# Altium PCB eHorglass.PcbDoc (continued)
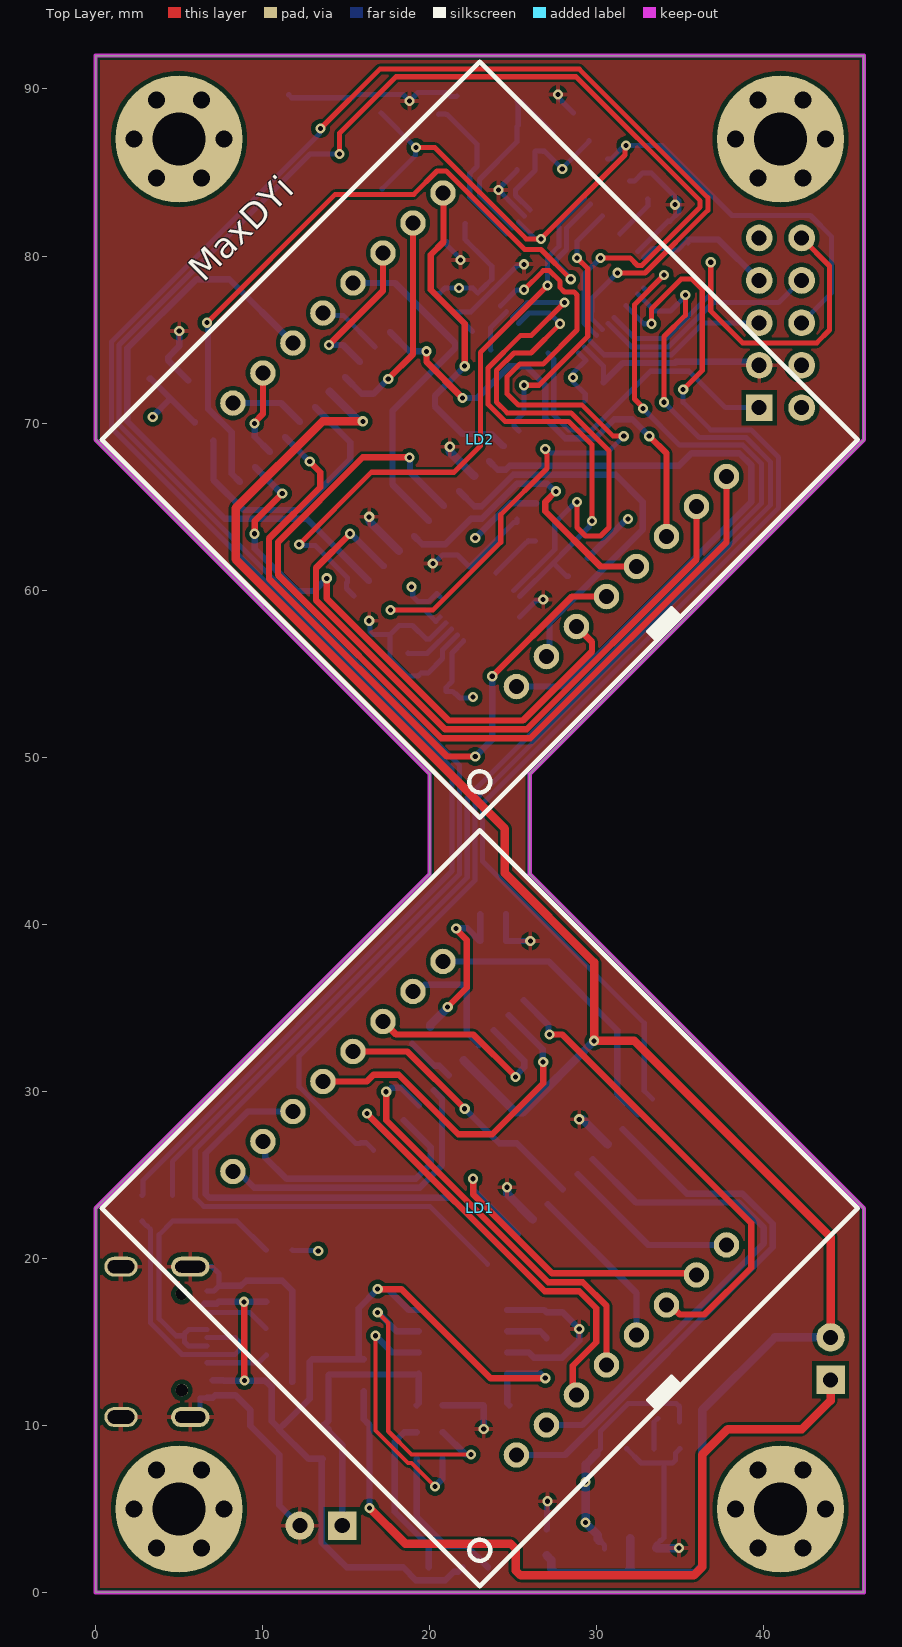
[diagram p0: Top Layer view]
## Part data
C1 C2 C3 C4 C5 C6 C7 C8 C9 C10 C11 C12 C13 C14 C15 C16 C17 C18 C19 C20 C21: library part C, "贴片电容/MLCC电容", BOM名称=无极性贴片电容, 联系下单店铺卖家 免费帮你查找封装="联系下单店铺卖家 免费技术支持"
D1 D2: "肖特基二极管", BOM名称=肖特基二极管, 当前库版本V2022.12.25 @淘宝卖家:黄晶宝石=最新版本发布https://shop463601444.taobao.com
IC1: "锂电池充电管理", BOM名称=锂电池充电管理, 当前库版本V2022.10.7 @淘宝卖家:黄晶宝石=最新版本发布https://shop463601444.taobao.com
JP1: "5*2P接插件", BOM名称=5*2P接插件, 封装库来自淘宝卖家ID：黄晶宝石=其他店铺购入均为盗版封装库，请立即申请退款，本店现金奖励50~200元, 联系卖家，免费查找封装=唯一出售店铺网址https://shop463601444.taobao.com
JP2: library part "Header 2", "2P接插件", BOM名称=2P接插件, 封装库来自淘宝卖家ID：黄晶宝石=其他店铺购入均为盗版封装库，请立即申请退款，本店现金奖励50~200元, 联系卖家，免费查找封装=唯一出售店铺网址https://shop463601444.taobao.com
LD1 LD2: "共阴单色LED8*8点阵屏", BOM名称=共阴单色LED8*8点阵屏, 联系卖家 免费技术支持=唯一出售店铺网址https://shop463601444.taobao.com
LED1 LED2 LED3: library part LED, "贴片LED", BOM名称=贴片LED, 封装库来自淘宝卖家：黄晶宝石=其他店铺购入均为盗版封装库，无更新权益，退款现金奖励200~1000元
Q1: "P沟道 30V/4.2A", BOM名称=场效应管, 参数="P沟道 30V/4.2A", 联系下单店铺卖家 免费帮你查找封装="联系下单店铺卖家 免费技术支持"
R1 R2 R3 R4 R5 R6 R7 R8 R9 R10 R11 R12 R13 R14 R15 R16 R17: library part R, "贴片电阻", BOM名称=贴片电阻
  R1 R2 R3 R4 R7 R8 R9 R10 R11 R14: 当前库版本V2022.10.7 @黄晶宝石=最新版本发布https://shop463601444.taobao.com
  R5 R6 R12 R13 R15 R16 R17: 联系下单店铺卖家 免费帮你查找封装="联系下单店铺卖家 免费技术支持"
S1: "1路单刀船型开关", BOM名称=1路单刀船型开关, 联系下单店铺卖家 免费技术支持="联系下单店铺卖家 免费帮你查找封装"
SP1 SP2 SP3 SP4: library part 铜柱加头大焊盘, "铜柱", BOM名称=铜柱, 联系下单店铺卖家 免费技术支持="联系下单店铺卖家 免费帮你查找封装"
SW1: library part "SW 3x6", "3x6轻触开关", BOM名称=3x6轻触开关, 联系下单店铺卖家 免费技术支持="联系下单店铺卖家 免费帮你查找封装"
U1: "STM32 ARM-based 32-bit MCU Performance Line with 64 kB Flash, 20 kB Internal RAM, -40 to +85癈 Temperature, 48-Pin LQFP, Tray", ComponentLink1Description="Manufacturer URL", ComponentLink1URL=http://www.st.com/, ComponentLink2Description="STM32F103 Datasheet", ComponentLink2URL=http://www.st.com/internet/com/TECHNICAL_RESOURCES/TECHNICAL_LITERATURE/DATASHEET/CD00161566.pdf, ComponentLink3Description="STM32 Family Web Page", ComponentLink3URL=www.st.com/stm32, DatasheetVersion="rev13.0, Apr-2011", PackageDescription="48-Pin Low-Profile Quad Flat Pack, 7 x 7 mm Body, 0.5 mm Pitch (LQFP48)", PackageReference=LQFP48, PackageVersion="rev13, Apr-2011", 封装库来自淘宝卖家：黄晶宝石=最新版本发布https://shop463601444.taobao.com
U2 U3: "8位 LED驱动器", 封装库来自淘宝卖家：黄晶宝石=其他店铺购入均为盗版封装库，无更新权益，退款现金奖励200~1000元, 当前库版本V2022.12.25 @淘宝卖家:黄晶宝石=最新版本发布https://shop463601444.taobao.com
U4: "三轴加速度+三轴陀螺仪", 封装库来自淘宝卖家：黄晶宝石=其他店铺购入均为盗版封装库，请立即申请退款，本店现金奖励100~500元
U5: "LDO线性稳压芯片", BOM名称=HT7533, 当前库版本V2022.12.25 @淘宝卖家:黄晶宝石=最新版本发布https://shop463601444.taobao.com
USBC1: library part USB2.0_Type-C_16Pin, "USB2.0_Type-C_16Pin母座", 当前库版本V2022.12.25 @淘宝卖家:黄晶宝石=最新版本发布https://shop463601444.taobao.com
X1: library part XTAL-2P, "2脚无源晶振(谐振器）", BOM名称=2脚无源晶振(谐振器）, 联系下单店铺卖家 免费帮你查找封装="联系下单店铺卖家 免费技术支持"

## Via types
v1: diameter 0.61, hole 0.305, Top Layer to Bottom Layer, tented both sides, 94 vias

## Nets (pads, with @x,y where several pads share a name; then routed paths per layer and width w, separated by ;. In a path a pad name is that pad's centre, name@x,y a point inside that pad or via, vN(x,y) a via of type N, cw(c..) or ccw(c..) an arc to the next point about the centre after c; other vN are vias at no path point)
3V3: C4.2 C5.2 C6.2 C7.2 C8.2 C9.2 C10.2 C11.2 C12.2 C15.2 C16.2 JP1.7 LED3.1 R5.2 R6.2 R12.1 R13.1 R14.2 R15.1 U1.1 U1.9 U1.24 U1.36 U1.48 U4.8 U4.13 U5.3 | length 76.5
  Top Layer w0.381: v1(21.082,35.052) 22.225,36.195 22.225,39.054 21.59,39.689 v1(21.59,39.751)
  Bottom Layer w0.305: R15.1 11.802,20.473 13.309,20.473 v1(13.335,20.447) ; v1(18.923,60.198) 18.991,60.13 18.991,59.622 19.304,59.309 19.939,59.309 20.415,59.785 20.447,59.785 U4.13 ; C8.2 20.608,77.764 20.925,78.081 22.582,78.081 22.885,77.778 22.889,77.778 U1.48 23.719,78.608 23.719,79.392 U1.1 22.225,80.886 22.225,80.899 22.12,81.004 22.12,81.937 C7.2 ; U4.8 22.028,56.935 21.336,56.243 21.336,54.523 20.995,54.182 C16.2 21.38,53.935 21.506,53.809 21.542,53.809 21.816,53.536 22.548,53.536 v1(22.606,53.594) ; U1.9 26.02,82.751 25.146,83.625 25.146,83.947 26.311,85.112 26.311,86.255 C4.2 26.347,86.291 26.732,86.291 26.75,86.273 26.884,86.273 v1(27.94,85.217) 27.94,85.257 29.551,86.868 R14.2 ; U1.36 29.354,73.757 29.354,73.754 28.575,72.975 28.575,72.477 29.315,71.737 29.315,71.352 C6.2 ; R12.1 R12.1@29.481,61.929 ; C15.2@29.972,8.347 C15.2 30.225,9.651 31.877,11.303 34.784,11.303 34.962,11.124 LED3.1 ; U5.3@30.151,3.099 30.196,3.099 30.476,2.82 U5.3 ; v1@31.813,64.262 v1(31.877,64.262) ; U1.24 33.335,80.446 34.052,80.446 34.136,80.362 34.849,80.362 C5.2@35.368,80.882 ; C5.2@35.473,80.777 C5.2
  Bottom Layer w0.381: C12.2 3.3,72.652 5.904,70.048 R6.2 ; v1(3.429,70.358) 3.429,70.394 4.452,71.417 C11.2 ; v1(21.59,39.751) 22.249,39.751 23,39 C9.2 C10.2 ; v1(22.733,63.119) 24.823,65.209 26.358,65.209 R13.1 ; R12.1@29.481,61.929 v1@31.813,64.262 ; C5.2 37.284,80.986 JP1.7
  Bottom Layer w0.508: R5.2@20.048,33.85 20.048,33.983 21.082,35.017 v1(21.082,35.052) ; C15.2@29.972,8.347 29.972,8.282 29.356,7.667 29.356,6.623 v1(29.337,6.604) 29.337,4.164 30.075,3.426 30.075,3.175 U5.3@30.151,3.099
  other v1: 29.337,4.191 28.575,72.726 21.753,78.081
BAT_CHRG: IC1.7 R1.1 | length 18.1
  Top Layer w0.254: v1(16.891,16.764) 17.526,16.129 17.526,9.652 18.923,8.255 v1(22.479,8.255)
  Bottom Layer w0.381: v1(16.891,16.764) 18.02,15.635 IC1.7 ; R1.1 20.8,9.6 22.145,8.255 v1(22.479,8.255)
BAT_STDBY: IC1.6 R3.1 | length 15.5
  Top Layer w0.254: v1(16.764,15.367) 16.764,9.696 18.713,7.747 18.923,7.747 v1(20.32,6.35)
  Bottom Layer w0.381: v1(16.764,15.367) 17.766,14.365 IC1.6 ; v1(20.32,6.35) 20.775,6.805 R3.1
BOOT0: R9.2 U1.44 | length 2.7
  Bottom Layer w0.305: R9.2 23.644,74.4 23.644,75.705 U1.44
CC1: R7.2 USBC1.A5 | length 3.7
  Bottom Layer w0.305: USBC1.A5@6.675,13.75 9.75,13.75 10.2,14.2 R7.2
CC2: R8.2 USBC1.B5 | length 3.9
  Bottom Layer w0.305: USBC1.B5@6.675,16.75 9.25,16.75 R8.2@10.2,15.8
GND: C1.1 C2.1 C3.1 C4.1 C5.1 C6.1 C7.1 C8.1 C9.1 C10.1 C11.1 C12.1 C13.1 C14.1 C15.1 C16.1 C17.1 C18.2 C19.2 C20.1 C21.2 IC1.1 IC1.3 JP1.3 JP2.2 R2.1 R4.1 R7.1 R8.1 R9.1 R10.1 R11.1 SW1.2 U1.8 U1.23 U1.35 U1.47 U2.4 U2.9 U3.4 U3.9 U4.1 U4.9 U4.11 U4.18 U5.1 USBC1.0 USBC1.A1 USBC1.A12 USBC1.B1 USBC1.B12 | length 136.8
  Bottom Layer w0.305: USBC1.0@5.875,10.5 6.251,10.876 6.251,11.648 6.253,11.65 USBC1.A1@6.673,11.65 ; USBC1.B1@6.675,18.05 7.095,18.05 7.394,18.349 ; USBC1.0@6.675,19.5 6.979,19.5 7.393,19.086 7.393,18.35 7.394,18.349 ; 7.475,18.35 7.396,18.35 7.394,18.352 7.394,18.349 ; SW1.2 11.744,89.475 15.394,89.475 15.599,89.68 15.984,89.68 C3.1 16.388,89.662 16.405,89.644 16.423,89.662 18.415,89.662 v1(18.796,89.281) 19.304,89.789 20.995,89.789 21.227,89.557 21.612,89.557 C20.1 ; v1(16.383,58.166) 16.422,58.127 16.422,57.513 16.6,57.335 17.595,57.335 17.631,57.299 17.631,55.902 18.669,54.864 19.311,54.864 19.496,55.049 19.881,55.049 C16.1 20.768,55.9 20.768,56.415 U4.9 ; C17.1 18.182,57.886 18.98,57.886 19.792,57.074 20.013,57.074 U4.11 ; v1@20.255,61.595 20.763,62.103 21.665,62.103 U4.18 25.043,64.048 C13.1 C13.1@25.233,64.257 ; C7.1 21.042,80.641 21.844,79.838 v1(21.844,79.756) ; C8.1 C8.1@21.394,76.65 ; R9.1 C8.1@21.394,76.65 ; C4.1 25.233,85.113 24.13,84.01 v1(24.13,83.947) 24.685,83.392 24.685,83.376 U1.8 ; U4.1 26.385,59.38 26.741,59.38 v1(26.797,59.436) ; v1(25.654,79.502) 25.596,79.444 25.262,79.444 22.468,76.65 C8.1@21.394,76.65 ; v1(27.686,89.662) 27.744,89.604 27.744,89.43 C21.2 ; U1.35 30.411,73.407 30.411,72.448 C6.1 ; 31.559,73.596 31.623,73.596 ; C15.1 31.8,8.6 32.653,7.747 34.036,7.747 ; R10.1 32.276,84.495 32.744,84.963 33.274,84.963 34.925,83.312 v1@34.925,83.071 ; U1.23 32.458,80.273 34.267,82.082 C5.1 34.925,82.63 v1@34.925,83.071 ; U5.1 33.524,2.82 33.804,3.099 33.857,3.099 34.036,3.278 34.036,7.747 ; v1(34.684,83.071) v1@34.925,83.071 ; R11.1 34.73,8.355 34.73,7.933 34.544,7.747 34.036,7.747
  Bottom Layer w0.381: v1(5.013,75.506) 5.013,74.615 4.348,73.949 C12.1 C11.1 ; USBC1.A1@6.673,11.65 7.017,11.65 7.178,11.811 8.382,11.811 9.271,10.922 9.271,9.979 11,8.25 R4.1 11,5.23 JP2.2 ; 7.475,18.35 8.698,18.35 9.017,18.669 11.176,18.669 11.775,18.07 C19.2 ; C2.1 C1.1 23.241,11.184 v1(23.241,9.779) ; C10.1 C9.1 26.024,39 v1@26.035,38.989 ; IC1.3 25.942,14.365 26.268,14.039 27.919,14.039 28.956,15.076 v1(28.956,15.774) 27.955,16.775 R2.1@27.023,16.775 ; IC1.1 26.87,16.905 R2.1 ; C14.1 27.025,3.801 27.025,5.435 v1(27.051,5.461) ; C6.1@30.411,72.448 31.559,73.596 ; 31.623,73.596 34.685,73.596 34.748,73.66 39.53,73.66 JP1.3 ; U5.1 U5.1@33.574,2.667
  Bottom Layer w0.508: v1(16.383,64.389) 16.402,64.37 16.402,64.107 U3.9 ; v1(21.209,68.58) 21.209,68.281 U3.4 ; v1(24.638,24.257) 24.638,23.872 U2.9 ; v1(28.956,28.321) 29.169,28.321 U2.4 ; U5.1@33.574,2.667 33.594,2.648 34.906,2.648 v1(34.925,2.667)
  other v1: 26.03,38.995 20.193,61.595
LED1_CS: U1.25 U2.12 | length 96.3
  Top Layer w0.305: v1(32.766,70.866) 32.766,70.928 32.258,71.436 32.258,77.089 v1(34.036,78.867)
  Bottom Layer w0.305: U2.12 20.008,23.114 6.477,23.114 5.969,23.622 5.969,26.52 22.25,42.801 22.25,47.585 39.878,65.213 39.878,67.552 38.749,68.682 34.95,68.682 v1(32.766,70.866) ; U1.25 33.027,77.862 33.031,77.862 v1(34.036,78.867)
LED1_DIG0: LD1.9 U2.2 | length 17.7
  Bottom Layer w0.381: LD1.9 27.126,37.771 31.242,33.655 31.242,29.84 U2.2
LED1_DIG1: LD1.14 U2.11 | length 27.8
  Bottom Layer w0.381: LD1.14 9.106,28.791 6.604,26.289 6.604,23.845 6.827,23.622 21.296,23.622 U2.11
LED1_DIG2: LD1.8 U2.6 | length 10.7
  Bottom Layer w0.381: U2.6 33.097,20.801 LD1.8
LED1_DIG3: LD1.12 U2.7 | length 16
  Top Layer w0.381: LD1.12 18.671,32.383 v1(22.098,28.956)
  Bottom Layer w0.381: v1(22.098,28.956) 24.174,26.88 25.222,26.88 U2.7
LED1_DIG4: LD1.1 U2.3 | length 33.2
  Bottom Layer w0.381: LD1.1 28.102,8.229 40.538,20.665 40.538,22.065 38.727,23.876 35.41,23.876 U2.3
LED1_DIG5: LD1.7 U2.10 | length 20.7
  Top Layer w0.381: v1(22.606,24.765) 22.606,23.82 27.326,19.101 35.879,19.101 LD1.7
  Bottom Layer w0.381: v1(22.606,24.765) 22.606,24.108 U2.10
LED1_DIG6: LD1.2 U2.5 | length 30.4
  Bottom Layer w0.381: LD1.2 29.144,10.025 40.005,20.886 40.005,21.844 38.506,23.343 32.351,23.343 U2.5
LED1_DIG7: LD1.5 U2.8 | length 10
  Bottom Layer w0.381: U2.8 32.383,17.923 LD1.5
LED1_MOSI: U1.28 U2.1 | length 71.2
  Top Layer w0.305: v1(33.274,75.946) 33.274,76.835 35.052,78.613 35.687,78.613 36.322,77.978 36.322,73.152 v1(35.179,72.009)
  Bottom Layer w0.305: U1.28 32.822,75.946 v1(33.274,75.946) ; U2.1 32.849,30.03 32.849,34.08 23.165,43.764 23.165,47.206 40.894,64.935 40.894,67.945 39.243,69.596 36.83,69.596 35.179,71.247 v1(35.179,72.009)
LED1_SCK: U1.26 U2.13 | length 73.7
  Top Layer w0.305: v1(34.036,71.247) 34.036,75.184 35.306,76.454 v1(35.306,77.66)
  Bottom Layer w0.305: U2.13 16.204,26.918 15.872,26.918 15.833,26.879 15.58,26.879 12.192,30.267 12.192,32.096 22.708,42.612 22.708,47.396 40.396,65.084 40.396,67.681 38.938,69.139 36.144,69.139 v1(34.036,71.247) ; U1.26 33.474,76.708 34.417,76.708 35.306,77.597 v1(35.306,77.66) v1@35.306,77.724
LED1_SEGA: LD1.3 U2.14 | length 26.3
  Top Layer w0.381: v1(16.256,28.662) 26.884,18.034 28.956,18.034 29.972,17.018 29.972,14.986 28.558,13.572 28.558,12.054 LD1.3
  Bottom Layer w0.381: v1@16.256,28.702 v1(16.256,28.662) U2.14
LED1_SEGB: LD1.4 U2.16 | length 25.5
  Top Layer w0.381: v1(17.399,29.972) 17.399,28.273 27.105,18.567 29.177,18.567 30.587,17.157 LD1.4
  Bottom Layer w0.381: v1(17.399,29.972) 17.481,29.972 17.719,30.209 18.301,30.209 U2.16
LED1_SEGC: LD1.10 U2.20 | length 7.1
  Bottom Layer w0.381: LD1.10 19.314,35.975 19.713,36.374 21.919,36.374 22.225,36.068 22.225,33.531 22.935,32.821 U2.20
LED1_SEGD: LD1.6 U2.23 | length 28.6
  Top Layer w0.381: v1(27.178,33.401) 27.94,33.401 39.243,22.098 39.243,19.431 36.449,16.637 34.967,16.637 34.396,17.209 LD1.6
  Bottom Layer w0.381: U2.23 27.12,33.963 27.12,33.459 v1(27.178,33.401)
LED1_SEGE: LD1.11 U2.21 | length 13.1
  Top Layer w0.381: LD1.11 17.987,33.401 22.606,33.401 v1(25.146,30.861)
  Bottom Layer w0.381: U2.21 25.654,31.836 25.654,31.431 25.146,30.923 v1(25.146,30.861)
LED1_SEGF: LD1.15 U2.15 | length 15.1
  Bottom Layer w0.381: LD1.15 10.17,26.85 10.17,26.025 11.43,24.765 19.177,24.765 20.066,25.654 20.066,26.648 U2.15
LED1_SEGG: LD1.16 U2.17 | length 18.2
  Bottom Layer w0.381: LD1.16 8.538,25.199 9.505,24.232 19.406,24.232 20.743,25.569 20.743,29.563 U2.17
LED1_SEGP: LD1.13 U2.22 | length 21
  Top Layer w0.381: LD1.13 16.236,30.587 16.637,30.988 18.161,30.988 21.717,27.432 23.749,27.432 26.797,30.48 v1(26.797,31.75)
  Bottom Layer w0.381: U2.22 26.774,32.512 26.774,31.773 v1(26.797,31.75)
LED2_CS: U1.14 U3.12 | length 35.7
  Top Layer w0.305: v1(12.192,62.738) 16.51,67.056 21.463,67.056 23.038,68.631 23.038,74.219 v1(27.051,78.232)
  Bottom Layer w0.305: v1(12.192,62.738) 12.25,62.68 13.139,62.68 15.085,60.734 15.085,60.481 15.029,60.425 15.029,60.093 U3.12 ; v1(27.051,78.232) 27.051,79.895 27.737,80.58 27.737,81.919 U1.14
LED2_DIG0: LD2.9 U3.2 | length 19.8
  Top Layer w0.381: LD2.9 20.828,83.744 20.828,80.835 20.066,80.073 20.066,77.978 22.098,75.946 v1(22.098,73.406)
  Bottom Layer w0.381: v1(22.098,73.406) 20.32,71.628 20.32,70.993 21.971,69.342 23.678,69.342 24.392,68.629 U3.2
LED2_DIG1: LD2.14 U3.11 | length 36
  Bottom Layer w0.381: LD2.14 7.999,78.613 6.046,78.613 1.905,74.472 1.905,70.104 7.747,64.262 12.656,64.262 U3.11
LED2_DIG2: LD2.8 U3.6 | length 55.4
  Top Layer w0.381: v1(18.796,67.945) 16.002,67.945 10.922,62.865 10.922,60.907 20.699,51.13 26.029,51.13 37.771,62.873 LD2.8
  Bottom Layer w0.381: v1(18.796,67.945) 18.829,67.912 18.829,67.069 U3.6
LED2_DIG3: LD2.12 U3.7 | length 20.7
  Bottom Layer w0.381: LD2.12 17.928,78.383 21.518,74.793 21.518,74.477 17.78,70.739 17.78,66.322 U3.7
LED2_DIG4: LD2.1 U3.3 | length 37.4
  Bottom Layer w0.381: U3.3 24.08,67.206 24.557,67.206 24.788,67.437 34.925,67.437 35.674,68.186 38.544,68.186 39.243,67.487 39.243,65.278 28.194,54.229 LD2.1
LED2_DIG5: LD2.7 U3.10 | length 41
  Top Layer w0.381: v1(15.24,63.373) 13.195,61.328 13.195,59.389 20.92,51.664 25.808,51.664 35.975,61.831 LD2.7
  Bottom Layer w0.381: v1(15.24,63.373) 15.29,63.373 17.219,61.444 U3.10
LED2_DIG6: LD2.2 U3.5 | length 24.5
  Bottom Layer w0.381: U3.5 22.67,65.024 23.129,65.024 25.009,66.904 31.14,66.904 32.766,65.278 32.766,63.627 27.178,58.039 27.178,56.207 LD2.2
LED2_DIG7: LD2.5 U3.8 | length 18.7
  Top Layer w0.381: v1(27.559,65.913) 26.924,65.278 26.924,64.714 30.225,61.413 LD2.5
  Bottom Layer w0.381: U3.8 19.568,62.738 20.955,62.738 22.479,64.262 23.122,64.262 25.23,66.37 27.04,66.37 27.497,65.913 v1(27.559,65.913)
LED2_MOSI: U1.17 U3.1 | length 16.2
  Top Layer w0.305: v1(25.654,72.263) 26.543,72.263 29.464,75.184 29.464,79.248 v1(28.829,79.883)
  Bottom Layer w0.305: U3.1 25.056,69.822 25.056,70.021 25.654,70.619 v1(25.654,72.263) ; v1(28.829,79.883) 28.829,80.89 U1.17
LED2_SCK: U1.15 U3.13 | length 44.4
  Top Layer w0.305: v1(6.667,76.01) 14.351,83.693 19.05,83.693 20.447,85.09 20.991,85.09 25.69,80.391 26.67,80.391 v1(28.448,78.613)
  Bottom Layer w0.305: v1(28.448,78.613) 28.448,78.695 27.599,79.544 27.599,79.796 28.194,80.391 28.194,81.665 29.626,83.098 U1.15
  Bottom Layer w0.381: v1@6.604,76.073 v1(6.667,76.01) 6.731,75.946 6.731,70.866 8.145,69.452 8.145,66.976 U3.13
LED2_SEGA: LD2.3 U3.14 | length 35.7
  Top Layer w0.381: v1(9.525,63.373) 9.525,64.135 v1(11.176,65.786) ; v1(13.843,60.706) 13.843,59.495 21.141,52.197 25.587,52.197 29.718,56.328 29.718,56.894 LD2.3
  Bottom Layer w0.381: v1(9.525,63.373) 9.525,62.484 12.065,59.944 13.081,59.944 v1(13.843,60.706) ; U3.14 11.132,65.786 v1(11.176,65.786)
LED2_SEGB: LD2.4 U3.16 | length 41.4
  Top Layer w0.381: v1(12.827,67.691) 13.462,67.056 13.462,66.159 10.389,63.086 10.389,60.687 21.037,50.038 v1(22.733,50.038) ; v1(23.749,54.846) 28.52,59.617 LD2.4
  Bottom Layer w0.381: U3.16 11.347,69.167 12.823,67.691 v1(12.827,67.691) ; v1(22.733,50.038) 23.749,51.054 v1(23.749,54.846)
LED2_SEGC: LD2.10 U3.20 | length 13.3
  Top Layer w0.381: v1(17.526,72.644) 19.005,74.123 LD2.10
  Bottom Layer w0.381: U3.20 15.939,71.755 16.637,71.755 v1(17.526,72.644)
LED2_SEGD: LD2.6 U3.23 | length 28.6
  Top Layer w0.381: v1(19.812,74.295) 19.812,73.66 v1(21.971,71.501) ; v1(33.147,69.215) 34.179,68.183 LD2.6
  Bottom Layer w0.381: U3.23 18.787,74.295 v1(19.812,74.295) ; v1(21.971,71.501) 22.86,71.501 24.765,73.406 25.781,73.406 26.924,72.263 26.924,70.293 28.116,69.101 29.923,69.101 31.053,70.231 32.131,70.231 v1(33.147,69.215)
LED2_SEGE: LD2.11 U3.21 | length 9.1
  Top Layer w0.381: v1(13.97,74.676) 17.209,77.915 LD2.11
  Bottom Layer w0.381: v1(13.97,74.676) 14.814,74.676 U3.21
LED2_SEGF: LD2.15 U3.15 | length 5.3
  Top Layer w0.381: v1(9.525,69.977) 9.525,70.055 10.025,70.555 LD2.15
  Bottom Layer w0.381: v1(9.525,69.977) 9.525,69.189 U3.15
LED2_SEGG: LD2.16 U3.17 | length 4.5
  Bottom Layer w0.381: LD2.16 11.107,71.199 U3.17
LED2_SEGP: LD2.13 U3.22 | length 4
  Bottom Layer w0.305: LD2.13 13.754,76.45 14.836,76.45 U3.22
MPU6050_INT: U1.45 U4.12 | length 46.4
  Top Layer w0.305: v1(17.653,58.801) 20.193,58.801 24.257,62.865 24.257,64.516 27.026,67.285 27.026,68.136 26.982,68.179 26.982,68.395 v1(26.924,68.453) ; v1(25.654,77.978) 26.797,79.121 27.178,79.121 27.813,78.486 27.813,78.105 28.067,77.851 28.65,77.851 28.829,77.672 28.829,75.565 26.797,73.533 25.4,73.533 24.638,72.771 24.638,71.755 25.324,71.069 29.134,71.069 30.988,69.215 v1(31.623,69.215)
  Bottom Layer w0.305: v1(17.653,58.801) 19.702,58.801 20.366,58.137 20.369,58.137 U4.12 ; U1.45 25.206,77.974 25.65,77.974 v1(25.654,77.978) ; v1(26.924,68.453) 27.001,68.453 27.255,68.199 30.607,68.199 v1(31.623,69.215)
MPU6050_SCL: R13.2 U1.42 U4.23 | length 33.3
  Top Layer w0.305: v1(27.813,75.946) 26.066,74.199 25.05,74.199 24.009,73.158 24.009,71.253 24.65,70.612 28.46,70.612 30.734,68.338 30.734,63.754 30.225,63.245 29.338,63.245 28.829,63.754 v1(28.829,65.278)
  Bottom Layer w0.305: U4.23 27.49,62.429 27.49,64.077 R13.2 27.564,64.095 28.747,65.278 v1(28.829,65.278) ; U1.42 25.316,75.959 25.948,76.591 27.168,76.591 v1(27.813,75.946)
MPU6050_SDA: R12.2 U1.43 U4.24 | length 31.2
  Top Layer w0.305: v1(28.067,77.216) 26.103,75.252 25.457,75.252 23.495,73.291 23.495,71.12 24.511,70.104 28.321,70.104 29.718,68.707 v1(29.718,64.135)
  Bottom Layer w0.305: U1.43 25.862,77.216 v1(28.067,77.216) ; U4.24 27.397,61.63 ; R12.2 28.194,60.833 27.397,61.63 ; v1(29.718,64.135) 29.718,64.053 29.576,63.911 29.576,63.809 28.321,62.553 27.397,61.63
NetC13_2: C13.2 U4.20 | length 3.2
  Bottom Layer w0.305: U4.20 25.791,62.852 25.808,62.852 25.926,62.97 25.943,62.952 C13.2
NetC17_2: C17.2 U4.10 | length 3.2
  Bottom Layer w0.305: C17.2 18.727,56.203 19.85,56.203 U4.10
NetD1_2: D1.2 D2.2 Q1.2 S1.1 | length 46.7
  Top Layer w0.508: v1(16.4,5.063) 18.542,2.921 24.848,2.921 25.146,2.623 25.146,1.314 25.444,1.016 35.814,1.016 36.322,1.524 36.322,8.255 37.846,9.779 42.291,9.779 44,11.488 S1.1
  Bottom Layer w0.381: Q1.2 16.05,10.376 16.4,10.026 D2.2 D1.2 v1(16.4,5.063)
NetIC1_2: IC1.2 R2.2 | length 2.5
  Bottom Layer w0.381: IC1.2 26.615,15.635 27,15.25 R2.2
NetLED1_2: LED1.2 R1.2 | length 9.9
  Bottom Layer w0.381: R1.2 18.49,9.6 17.907,9.017 17.907,4.826 19.939,2.794 LED1.2
NetLED2_2: LED2.2 R3.2 | length 9
  Bottom Layer w0.381: R3.2 19.225,4.524 20.955,2.794 22.201,2.794 LED2.2
NetLED3_2: LED3.2 R11.2 | length 1.7
  Bottom Layer w0.305: R11.2 33.432,8.607 33.432,10.193 LED3.2 ; LED3.2@33.585,10.344 LED3.2@33.655,10.414
NetR5_1: R5.1 U2.18 | length 3
  Bottom Layer w0.381: R5.1 20.269,31.534 20.568,31.534 U2.18
NetR6_1: R6.1 U3.18 | length 16.6
  Bottom Layer w0.381: R6.1 7.066,68.934 7.066,66.594 8.865,64.795 12.217,64.795 15.24,67.818 15.24,68.862 U3.18
NetR10_2: R10.2 U1.20 | length 2.8
  Bottom Layer w0.305: U1.20 33.067,83.006 33.067,83.392 R10.2
NetR16_2: R16.2 U1.32 | length 125
  Top Layer w0.305: v1(13.462,87.63) 17.018,91.186 28.956,91.186 36.652,83.49 36.652,82.742 32.891,78.981 31.255,78.981 v1(31.242,78.994)
  Bottom Layer w0.305: R16.2 2.838,23.813 2.838,24.682 21.336,43.18 21.336,49.326 0.953,69.709 0.953,74.867 13.404,87.318 13.404,87.572 v1(13.462,87.63) ; U1.32 30.333,75.609 29.702,76.241 29.702,76.678 29.718,76.694 29.718,77.47 v1(31.242,78.994)
NetR17_2: R17.2 U1.33 | length 125
  Top Layer w0.305: v1(14.605,86.106) 14.605,87.35 17.983,90.729 28.767,90.729 36.195,83.3 36.195,82.931 32.702,79.438 32.449,79.438 32.004,79.883 v1(30.226,79.883)
  Bottom Layer w0.305: R17.2 4.6,25.797 21.793,42.991 21.793,49.515 1.41,69.899 1.41,74.677 12.839,86.106 v1(14.605,86.106) ; U1.33 29.98,75.256 29.245,75.991 29.245,78.902 v1(30.226,79.883)
NRST: C3.2 JP1.6 R14.1 SW1.1 U1.7 | length 47.4
  Top Layer w0.305: v1(19.177,86.487) 20.32,86.487 25.781,81.026 v1(26.67,81.026) 31.692,86.048 31.692,86.556 v1(31.75,86.614)
  Bottom Layer w0.305: C3.2 v1(19.177,86.487) 19.165,86.475 19.165,86.031 SW1.1 ; U1.7 26.328,81.026 v1(26.67,81.026) ; R14.1 30.865,85.812 31.668,86.614 33.909,86.614 38.1,82.423 42.799,82.423 44.069,81.153 44.069,77.799 JP1.6
OSC_IN: C20.2 U1.5 X1.2 | length 9.5
  Bottom Layer w0.305: C20.2 20.552,88.497 20.937,88.497 20.955,88.479 21.046,88.479 X1.2 22.833,86.692 22.833,85.352 22.403,84.921 22.403,83.537 U1.5
OSC_OUT: C21.1 U1.6 X1.1 | length 12.3
  Bottom Layer w0.305: U1.6 22.987,83.659 22.987,84.582 25.237,86.832 25.237,87.756 25.308,87.827 25.308,89.167 X1.1 25.49,89.237 C21.1@27.392,87.336
SWCLK: JP1.1 U1.37 | length 18.9
  Bottom Layer w0.305: U1.37 27.432,73.84 27.432,70.485 28.321,69.596 29.718,69.596 33.223,73.101 35.529,73.101 37.71,70.92 JP1.1
SWDIO: JP1.5 U1.34 | length 11.2
  Bottom Layer w0.305: U1.34 29.63,74.899 30.437,74.092 34.479,74.092 36.388,76 JP1.5
UART_RX: JP1.8 U1.31 | length 13.9
  Bottom Layer w0.305: U1.31 32.097,74.549 34.29,74.549 36.957,77.216 40.894,77.216 JP1.8@42.281,78.603
UART_TX: JP1.10 U1.30 | length 26.7
  Top Layer w0.305: v1(36.83,79.629) 36.83,76.708 38.735,74.803 43.18,74.803 43.942,75.565 43.942,79.408 JP1.10
  Bottom Layer w0.305: U1.30 32.297,75.057 34.151,75.057 36.83,77.736 v1(36.83,79.629)
USB_DM: R16.1 USBC1.A7 USBC1.B7 | length 15.2
  Bottom Layer w0.305: R16.1 2.8,22.2 3.073,21.927 3.098,21.927 3.302,21.723 3.302,16.129 5.181,14.25 USBC1.B7 USBC1.B7@6.973,14.25 ; USBC1.A7@6.673,15.25 8.372,15.25 8.738,14.884 8.738,14.632 8.359,14.252 7.475,14.252 7.473,14.25 7.471,14.252 USBC1.B7@6.973,14.252
USB_DP: R15.2 R17.1 USBC1.A6 USBC1.B6 | length 18.9
  Bottom Layer w0.305: USBC1.A6@5.949,14.752 6.672,14.752 USBC1.A6@6.675,14.75 ; USBC1.B6@5.969,15.748 6.672,15.748 USBC1.B6@6.675,15.75 ; USBC1.A6 5.57,14.75 5.334,14.986 5.334,15.24 ; USBC1.B6 5.59,15.75 5.334,15.494 5.334,15.24 ; R15.2 10.2,20.5 8.475,22.225 R17.1 4.6,22.2 3.81,21.41 3.81,16.383 4.826,15.367 5.207,15.367 5.334,15.24
VBAT: C2.2 D2.1 IC1.5 JP2.1 Q1.3 | length 17
  Bottom Layer w0.381: D2.1 D2.1@13.677,10 ; JP2.1 14.77,8.83 13.973,9.627 13.973,9.727 13.7,10 D2.1@13.677,10 ; C2.2 19.35,11.325 IC1.5 19.302,13.047 13.998,13.047 Q1.3 13.95,10.273 D2.1@13.677,10
VBUS: C1.2 C18.1 C19.1 D1.1 IC1.4 IC1.8 LED1.1 LED2.1 Q1.1 R4.2 USBC1.A4 USBC1.A9 USBC1.B4 USBC1.B9 | length 65.5
  Top Layer w0.305: v1(8.89,17.399) v1@8.903,17.386 ; v1@8.903,12.695 v1(8.916,12.682)
  Top Layer w0.381: v1@8.903,12.695 v1@8.903,17.386 ; v1(16.891,18.161) 18.309,18.161 23.643,12.827 v1(26.924,12.827)
  Bottom Layer w0.381: USBC1.B4 6.515,17.291 7.258,17.291 7.367,17.4 C18.1 ; USBC1.B9@7.011,12.709 7.662,12.709 7.69,12.682 v1(8.916,12.682) 10.143,12.682 C19.1 10.25,12.6 10.548,12.302 10.548,10.247 10.697,10.098 10.702,10.098 R4.2@11,9.8 ; IC1.8 18.755,16.905 17.499,18.161 v1(16.891,18.161) 15.748,17.018 15.748,14.123 15.921,13.95 Q1.1 12.976,13.95 12.827,13.801 12.827,11.602 11.26,10.034 11.235,10.034 R4.2@11,9.8 ; LED2.1 21.717,1.246 21.439,1.246 20.931,0.738 19.177,0.738 LED1.1 15.031,1.5 14.499,2.032 13.539,2.992 13.539,7.939 D1.1 12.75,8 11,9.75 R4.2@11,9.8 ; C1.2 24.65,11.325 IC1.4 26.656,13.095 v1(26.924,12.827)
VIN: C14.2 S1.2 U2.19 U3.19 U5.2 | length 120.3
  Top Layer w0.508: v1(16.002,70.104) 13.589,70.104 8.382,64.897 8.382,61.849 24.511,45.72 24.511,43.053 29.845,37.719 v1(29.845,33.02) 32.258,33.02 44,21.278 S1.2
  Bottom Layer w0.508: U3.19 15.794,70.104 v1(16.002,70.104) ; U2.19 25.151,28.747 25.572,28.747 v1(29.845,33.02) ; C14.2 27.273,1.952 27.273,1.429 27.559,1.143 31.75,1.143 32,1.393 32,1.401 ; U5.2@32,3.252 32,1.401 ; 32.511,1.142 32.259,1.142 32,1.401 ; 32.512,1.143 35.889,1.143 36.322,1.576 36.322,10.922 40.67,15.27 S1.2
pads on no net: IC1.9 IC1.10 IC1.11 JP1.2 JP1.4 JP1.9 SP1.1 SP2.1 SP3.1 SP4.1 U1.2 U1.3 U1.4 U1.10 U1.11 U1.12 U1.13 U1.16 U1.18 U1.19 U1.21 U1.22 U1.27 U1.29 U1.38 U1.39 U1.40 U1.41 U1.46 U2.24 U3.24 U4.2 U4.3 U4.4 U4.5 U4.6 U4.7 U4.14 U4.15 U4.16 U4.17 U4.19 U4.21 U4.22 U4.25 USBC1. USBC1.A8 USBC1.B8

## Polygon pours and split planes (outlines as drawn)
GND on Bottom Layer "GND_L04_P001" (solid, remove dead copper, pour order 1): 0,0 0,92.075 46.228,92.075 46.228,0
GND on Top Layer "GND_L01_P000" (solid, remove dead copper, pour order 0): 0,92.202 0,0 45.974,0 46.101,0.127 46.101,91.948
GND on GND (split plane): 45.49,69.211 25.639,49.361 25.576,49.284 25.528,49.195 25.499,49.1 25.49,49 25.49,43 25.499,42.9 25.528,42.805 25.576,42.716 25.639,42.639 45.49,22.789 45.49,0.51 0.51,0.51 0.51,22.789 20.361,42.639 20.424,42.716 20.472,42.805 20.501,42.9 20.51,43 20.51,49 20.501,49.1 20.472,49.195 20.424,49.284 20.361,49.361 0.51,69.211 0.51,91.49 45.49,91.49
3V3 on PWR (split plane): 45.49,69.211 25.639,49.361 25.576,49.284 25.528,49.195 25.499,49.1 25.49,49 25.49,43 25.499,42.9 25.528,42.805 25.576,42.716 25.639,42.639 45.49,22.789 45.49,0.51 0.51,0.51 0.51,22.789 20.361,42.639 20.424,42.716 20.472,42.805 20.501,42.9 20.51,43 20.51,49 20.501,49.1 20.472,49.195 20.424,49.284 20.361,49.361 0.51,69.211 0.51,91.49 45.49,91.49

## Keep-outs
Keep-Out Layer:
  the board outline again, w0.254

## Silkscreen, mask and mechanical layers (free items; w line width, h text height)
Top Overlay:
  text "MaxDYi" at 6.473,78.37 h1.52 r45
Bottom Overlay:
  text "MaxDYi" at 11.38,83.312 h1.52 r45
  text "2024/02" at 13.893,81.942 h1.52 r45
  text "3V3" at 37.854,78.032 h1.02
  text "TIO" at 37.77,75.492 h1.02
  text "GND" at 37.854,72.952 h1.02
  text "TCK" at 37.854,70.412 h1.02
  text "V+" at 41.895,14.508 h1.52
  text "V-" at 41.895,11.968 h1.52
  text "GND" at 21.717,3.556 h1.52
  text "BAT" at 26.035,3.556 h1.52
Mechanical 1:
  the board outline again, w0.254

## Text inside footprints (layer, text, board x,y; h text height)
JP1: Bottom Overlay "2" at 41.762,68.634 h1.02 r270; Bottom Overlay "1" at 39.222,68.888 h1.02 r270; Bottom Overlay "9" at 39.222,82.604 h1.02 r270; Bottom Overlay "10" at 41.762,82.604 h1.02 r270